# KiCad board Marble.kicad_pcb (continued)
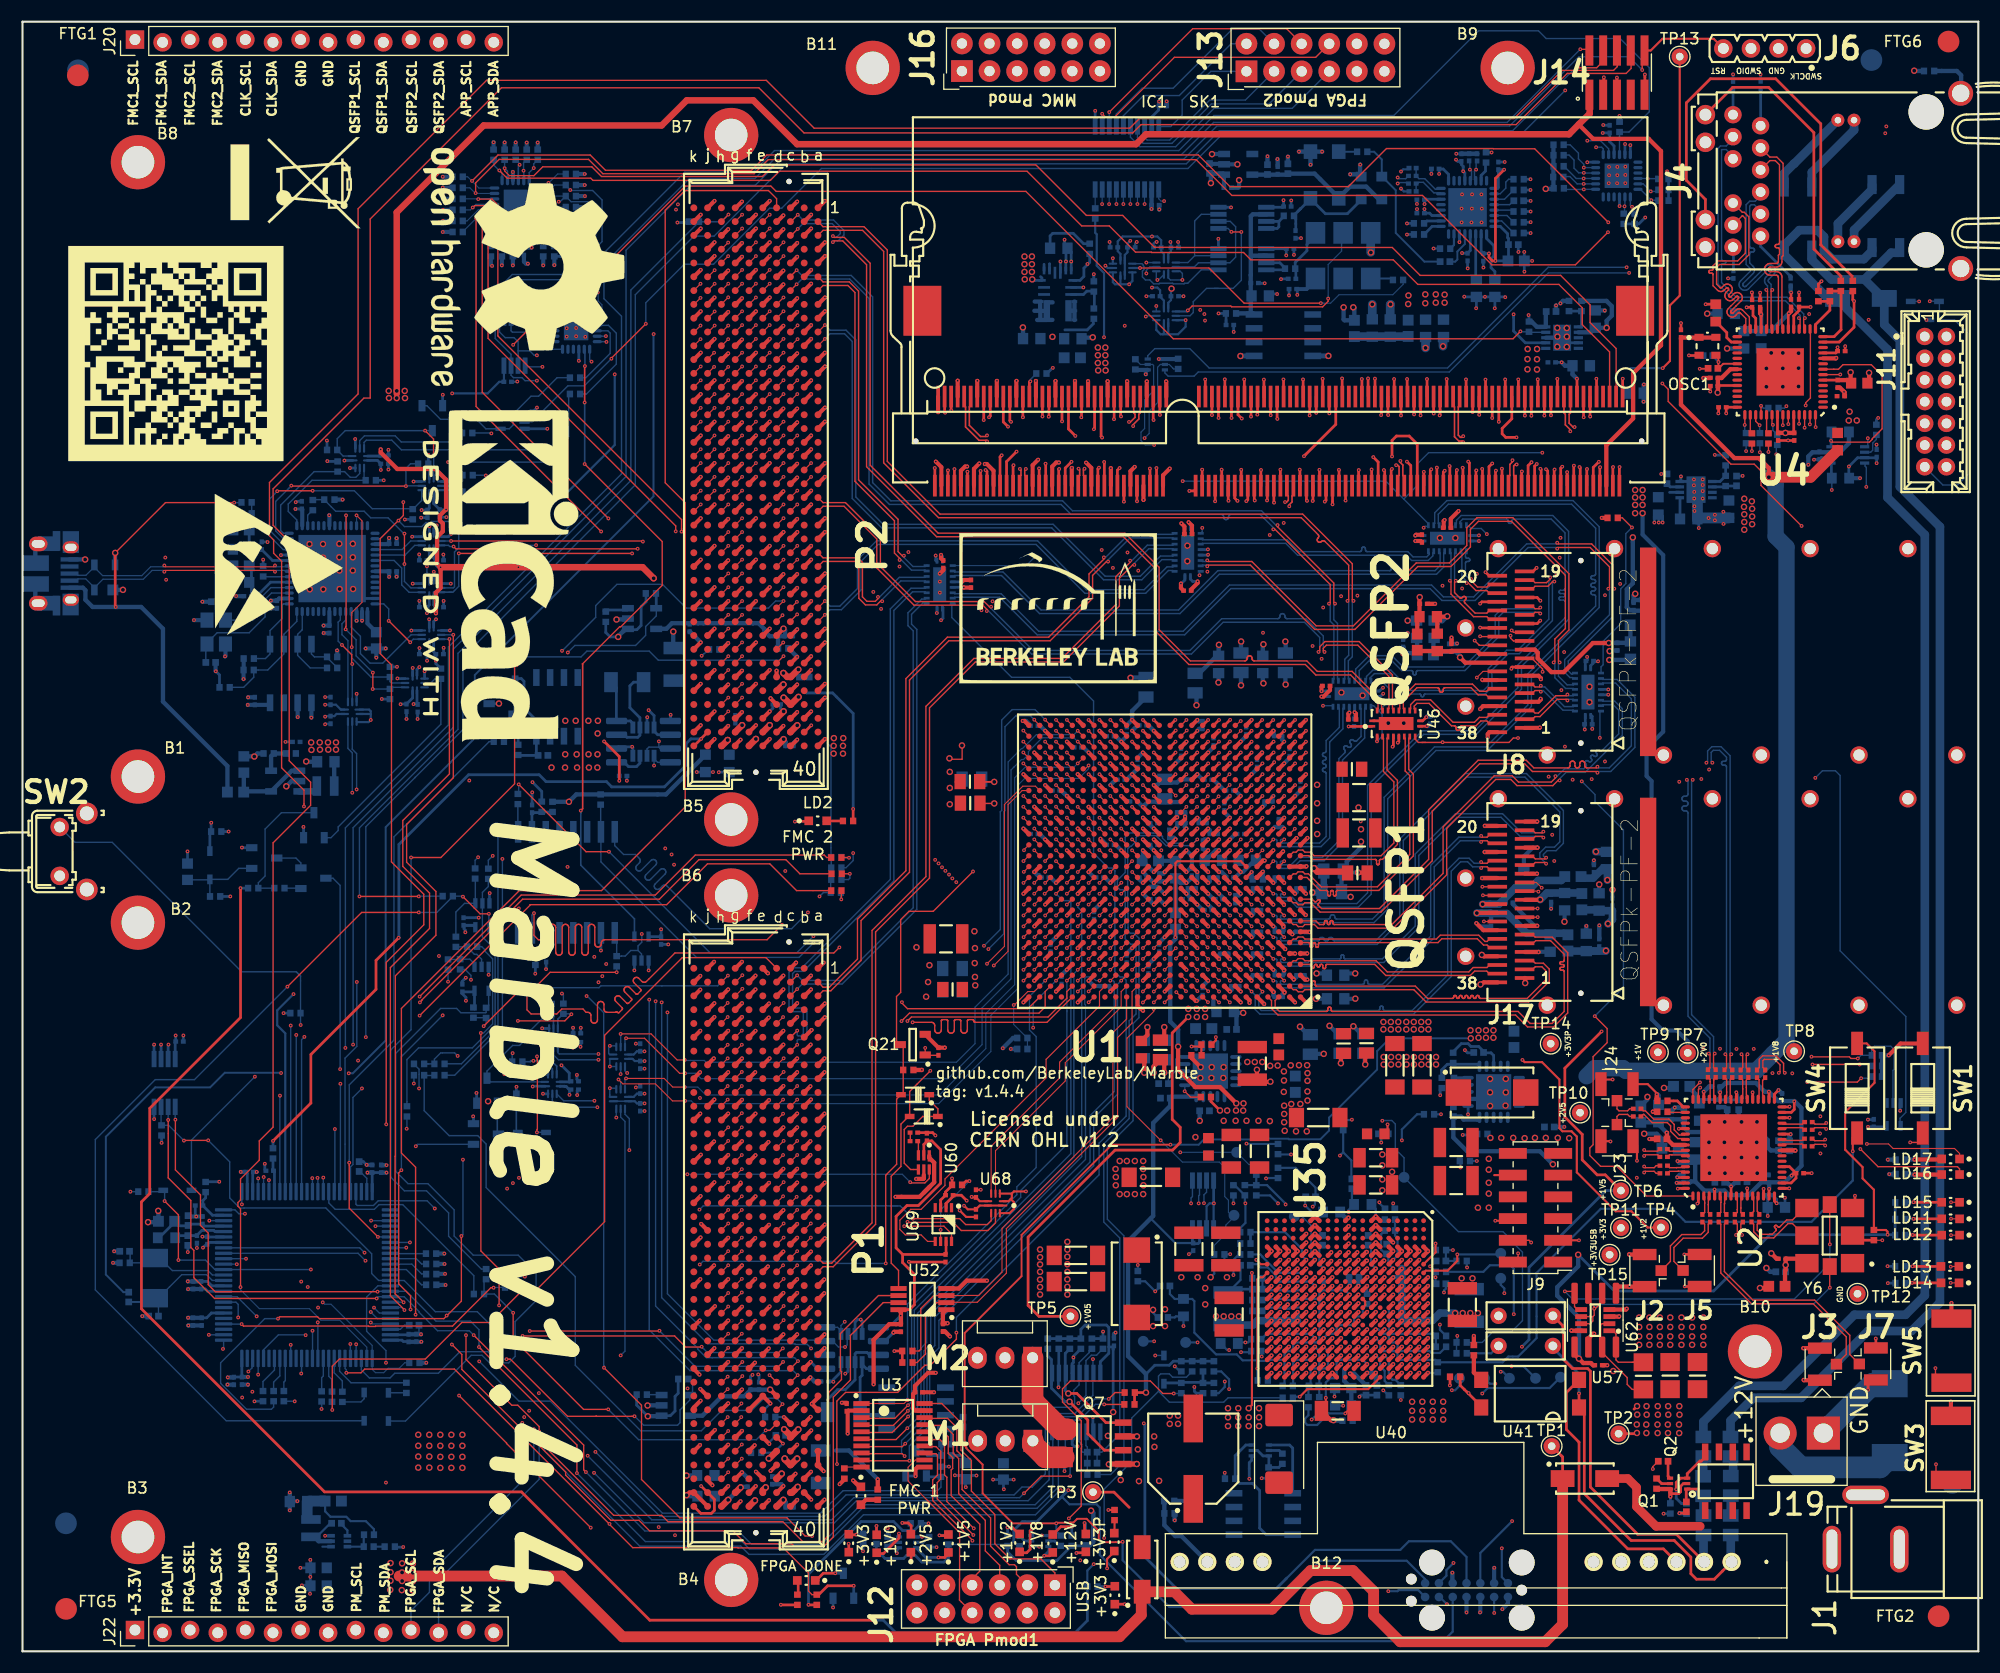
[diagram p0: board, top side]
## Placement (name value [footprint] x y rotation side) (continued)
C244  CC0201_470NF_4V_20%_X5R  [CAPC0603X33N]  93.11 85.19 0 bottom
C245  CC0201_470NF_4V_20%_X5R  [CAPC0603X33N]  94.12 71.23 0 bottom
C246  CC0201_470NF_4V_20%_X5R  [CAPC0603X33N]  97.13 83.2 0 bottom
C247  CC0201_470NF_4V_20%_X5R  [CAPC0603X33N]  95.12 79.23 0 bottom
C248  CC0201_470NF_4V_20%_X5R  [CAPC0603X33N]  111.62 69.23 270 bottom
C249  CC0201_470NF_4V_20%_X5R  [CAPC0603X33N]  101.62 63.73 270 bottom
C250  CC0201_470NF_4V_20%_X5R  [CAPC0603X33N]  100.12 74.23 0 bottom
C251  CC0201_470NF_4V_20%_X5R  [CAPC0603X33N]  99.62 61.23 180 bottom
C252  CC0805_4.7UF_10V_10%_X5R  [CAPC2012X135N]  87.38 80.28 180 bottom
C253  CC0805_4.7UF_10V_10%_X5R  [CAPC2012X135N]  103.4 88.74 90 bottom
C254  CC0805_4.7UF_10V_10%_X5R  [CAPC2012X135N]  87.22 78.07 180 top
C255  CC0805_4.7UF_10V_10%_X5R  [CAPC2012X135N]  105.13 79.37 270 bottom
C256  CC0201_470NF_4V_20%_X5R  [CAPC0603X33N]  112.12 75.23 180 bottom
C257  CC0201_470NF_4V_20%_X5R  [CAPC0603X33N]  106.63 82.76 270 bottom
C258  CC0201_470NF_4V_20%_X5R  [CAPC0603X33N]  94.62 64.73 270 bottom
C259  CC0201_470NF_4V_20%_X5R  [CAPC0603X33N]  109.12 80.23 0 bottom
C260  CC0201_470NF_4V_20%_X5R  [CAPC0603X33N]  98.62 67.73 90 bottom
C261  CC0201_470NF_4V_20%_X5R  [CAPC0603X33N]  109.62 83.73 270 bottom
C262  CC0201_470NF_4V_20%_X5R  [CAPC0603X33N]  93.12 75.23 0 bottom
C263  CC0201_470NF_4V_20%_X5R  [CAPC0603X33N]  111.11 79.24 180 bottom
C264  CC0201_470NF_4V_20%_X5R  [CAPC0603X33N]  111.12 71.23 0 bottom
C265  CC1210_100UF_6.3V_20%_X5R  [CAPC3225X270N]  123.01 78.58 0 top
C266  CC1210_100UF_6.3V_20%_X5R  [CAPC3225X270N]  123.01 75.33 0 top
C267  CC0201_470NF_4V_20%_X5R  [CAPC0603X33N]  110.12 69.23 180 bottom
C268  CC0805_4.7UF_10V_10%_X5R  [CAPC2012X135N]  121.35 55.94 270 bottom
C269  CC0201_470NF_4V_20%_X5R  [CAPC0603X33N]  109.12 68.23 180 bottom
C270  CC0805_4.7UF_10V_10%_X5R  [CAPC2012X135N]  123.54 55.94 270 bottom
C271  CC0201_470NF_4V_20%_X5R  [CAPC0603X33N]  104.12 74.23 0 bottom
C272  CC0805_4.7UF_10V_10%_X5R  [CAPC2012X135N]  123.7 55.97 270 top
C273  CC0201_470NF_4V_20%_X5R  [CAPC0603X33N]  103.12 71.23 180 bottom
C274  CC0805_4.7UF_10V_10%_X5R  [CAPC2012X135N]  118.53 55.86 270 bottom
C275  CC0201_470NF_4V_20%_X5R  [CAPC0603X33N]  104.12 69.23 0 bottom
C276  CC0805_4.7UF_10V_10%_X5R  [CAPC2012X135N]  122.35 81.19 0 top
C277  CC0201_470NF_4V_20%_X5R  [CAPC0603X33N]  107.12 69.23 0 bottom
C278  CC0805_4.7UF_10V_10%_X5R  [CAPC2012X135N]  121.59 55.95 270 top
C279  CC0201_470NF_4V_20%_X5R  [CAPC0603X33N]  104.12 76.23 0 bottom
C280  CC0603_22UF_6.3V_20%_X5R  [CAPC1709X100N]  114.15 90.84 90 bottom
C281  CC0603_22UF_6.3V_20%_X5R  [CAPC1709X100N]  102.97 55.38 270 top
C282  CC0603_22UF_6.3V_20%_X5R  [CAPC1709X100N]  110.08 90.84 90 bottom
C283  CC0603_22UF_6.3V_20%_X5R  [CAPC1709X100N]  103.25 55.39 270 bottom
C284  CC0805_4.7UF_10V_10%_X5R  [CAPC2012X135N]  116.23 90.99 90 bottom
C285  CC0805_4.7UF_10V_10%_X5R  [CAPC2012X135N]  105.08 55.34 270 bottom
C286  CC0805_4.7UF_10V_10%_X5R  [CAPC2012X135N]  112.14 90.99 90 bottom
C287  CC0805_4.7UF_10V_10%_X5R  [CAPC2012X135N]  104.73 55.36 270 top
C288  CC0201_100NF_6.3V_10%_X5R  [CAPC0603X33N]  151.04 45.51 0 top
C289  CC0201_100NF_6.3V_10%_X5R  [CAPC0603X33N]  151.05 43.99 0 top
C290  CC0201_100NF_6.3V_10%_X5R  [CAPC0603X33N]  144.12 85.33 180 bottom
C291  CC0201_100NF_6.3V_10%_X5R  [CAPC0603X33N]  122.55 85.48 90 bottom
C292  CC0201_100NF_6.3V_10%_X5R  [CAPC0603X33N]  128.8 102.43 270 top
C293  CC0201_100NF_6.3V_10%_X5R  [CAPC0603X33N]  128.94 96.42 0 top
C294  CC0201_100NF_6.3V_10%_X5R  [CAPC0603X33N]  127.07 92.78 90 bottom
C295  CC0201_100NF_6.3V_10%_X5R  [CAPC0603X33N]  148.28 96.18 90 bottom
C296  CC0603_22UF_6.3V_20%_X5R  [CAPC1709X100N]  128.31 94.07 90 bottom
C297  CC0603_22UF_6.3V_20%_X5R  [CAPC1709X100N]  129.37 95.23 0 top
C298  CC0603_22UF_6.3V_20%_X5R  [CAPC1709X100N]  149.44 96.79 90 bottom
C299  CC0201_100NF_6.3V_10%_X5R  [CAPC0603X33N]  146.79 92.48 270 bottom
C300  CC0201_100NF_6.3V_10%_X5R  [CAPC0603X33N]  131.51 92.4 90 top
C301  CC0201_100NF_6.3V_10%_X5R  [CAPC0603X33N]  131.3 92.38 90 bottom
C302  CC0603_22UF_6.3V_20%_X5R  [CAPC1709X100N]  147.99 92.16 270 bottom
C303  CC0603_22UF_6.3V_20%_X5R  [CAPC1709X100N]  130.21 92.87 90 top
C304  CC0603_22UF_6.3V_20%_X5R  [CAPC1709X100N]  129.92 94.08 90 bottom
C305  CC0201_100NF_6.3V_10%_X5R  [CAPC0603X33N]  122.37 85.77 0 top
C306  CC0201_100NF_6.3V_10%_X5R  [CAPC0603X33N]  131.11 103.42 180 top
C307  CC0402_2.2UF_6.3V_10%_X5R  [CAPC1005X55N]  36.04 30.01 180 bottom
C308  CC0402_1UF_16V_10%_X5R  [CAPC1005X55N]  15.21 37.81 270 bottom
C309  CC0402_2.2UF_6.3V_10%_X5R  [CAPC1005X55N]  30.99 44.62 270 bottom
C310  CC0201_100NF_6.3V_10%_X5R  [CAPC0603X33N]  16.05 37.91 270 bottom
C311  CC0402_1UF_16V_10%_X5R  [CAPC1005X55N]  15.24 39.65 90 bottom
C312  CC0201_100NF_6.3V_10%_X5R  [CAPC0603X33N]  104.26 133.12 0 bottom
C313  CC0201_100NF_6.3V_10%_X5R  [CAPC0603X33N]  75.85 22.44 90 top
C314  CC0201_100NF_6.3V_10%_X5R  [CAPC0603X33N]  82.48 23.84 0 top
C315  CC0201_100NF_6.3V_10%_X5R  [CAPC0603X33N]  104.95 142.23 0 bottom
C316  CC0201_100NF_6.3V_10%_X5R  [CAPC0603X33N]  106.05 124.73 0 bottom
C317  CC0201_100NF_6.3V_10%_X5R  [CAPC0603X33N]  104.35 124.73 180 bottom
C318  CC0201_100NF_6.3V_10%_X5R  [CAPC0603X33N]  87.75 40.33 270 top
C319  CC0201_100NF_6.3V_10%_X5R  [CAPC0603X33N]  87.75 42.13 90 top
C320  CC0201_100NF_6.3V_10%_X5R  [CAPC0603X33N]  56.85 50.08 270 bottom
C321  CC0201_100NF_6.3V_10%_X5R  [CAPC0603X33N]  56.85 53.98 270 bottom
C322  CC0603_10UF_6.3V_20%_X5R  [CAPC1608X87N]  153.95 46.07 270 bottom
C323  CC0201_100NF_6.3V_10%_X5R  [CAPC0603X33N]  163.57 44.01 0 top
C324  CC0603_10UF_6.3V_20%_X5R  [CAPC1608X87N]  154.33 49.63 90 bottom
C325  CC0201_100NF_6.3V_10%_X5R  [CAPC0603X33N]  152.85 43.5 90 bottom
C326  CC0201_100NF_6.3V_10%_X5R  [CAPC0603X33N]  160.7 43.5 90 bottom
C327  CC0201_100NF_6.3V_10%_X5R  [CAPC0603X33N]  156.08 50.43 270 bottom
C328  CC0603_10UF_6.3V_20%_X5R  [CAPC1608X87N]  161.41 40.86 180 bottom
C329  CC0201_100NF_6.3V_10%_X5R  [CAPC0603X33N]  155.85 51.98 180 bottom
C330  CC1210_100UF_6.3V_20%_X5R  [CAPC3225X270N]  110.75 37.03 90 top
C331  CC1206_47UF_10V_10%_X5R  [CAPC3216X180N]  124.55 45.43 180 top
C332  CC0201_470NF_4V_20%_X5R  [CAPC0603X33N]  116.62 82.73 270 bottom
C333  CC0201_470NF_4V_20%_X5R  [CAPC0603X33N]  104.62 64.73 270 bottom
C334  CC0201_470NF_4V_20%_X5R  [CAPC0603X33N]  112.62 84.73 270 bottom
C335  CC0201_470NF_4V_20%_X5R  [CAPC0603X33N]  103.62 62.73 90 bottom
C336  CC0201_470NF_4V_20%_X5R  [CAPC0603X33N]  113.62 81.73 270 bottom
C337  CC0201_470NF_4V_20%_X5R  [CAPC0603X33N]  111.62 61.23 0 bottom
C338  CC0201_470NF_4V_20%_X5R  [CAPC0603X33N]  117.62 79.73 270 bottom
C339  CC0201_470NF_4V_20%_X5R  [CAPC0603X33N]  110.61 64.21 0 bottom
C340  CC1206_47UF_10V_10%_X5R  [CAPC3216X180N]  113.85 46.03 270 top
C341  CC1210_100UF_6.3V_20%_X5R  [CAPC3225X270N]  131.95 43.33 180 top
C342  CC0201_100NF_6.3V_10%_X5R  [CAPC0603X33N]  50.84 125.58 90 bottom
C343  CC0603_4.7UF_25V_10%_X5R  [CAPC1709X95N]  90.28 16.55 270 bottom
C344  CC0603_4.7UF_25V_10%_X5R  [CAPC1709X95N]  86.81 16.58 270 bottom
C345  CC1210_100UF_6.3V_20%_X5R  [CAPC3225X270N]  107.35 37.03 90 top
C346  CC0603_10UF_6.3V_20%_X5R  [CAPC1608X87N]  124.55 47.63 180 top
C347  CC0603_10UF_6.3V_20%_X5R  [CAPC1608X87N]  109.15 46.43 270 top
C348  330uF  [CAPMP7343X310N]  135.25 51.43 0 top
C349  330uF  [CAPMP7343X310N]  102.55 33.83 270 top
C350  CAE830-1020_470UF_16V_20%  [CAPAE830X1020N]  107.75 17.73 90 top
C351  CC0201_100NF_6.3V_10%_X5R  [CAPC0603X33N]  55.28 80.58 0 bottom
C352  CC0201_100NF_6.3V_10%_X5R  [CAPC0603X33N]  157.46 126.72 270 bottom
C353  CPER_4.7NF_400V_5%_500-250X720X650  [CAPR500-250X720X650]  138.35 28.11 180 top
C354  CPER_4.7NF_400V_5%_500-250X720X650  [CAPR500-250X720X650]  138.35 30.88 180 top
C355  CC0201_100NF_6.3V_10%_X5R  [CAPC0603X33N]  36.88 96.1 180 bottom
C356  CC0201_100NF_6.3V_10%_X5R  [CAPC0603X33N]  38.4 96.1 0 bottom
C357  CC0201_100NF_6.3V_10%_X5R  [CAPC0603X33N]  161.95 50.99 90 bottom
C358  CC0201_100NF_6.3V_10%_X5R  [CAPC0603X33N]  40.59 67.17 90 bottom
C359  CC0201_100NF_6.3V_10%_X5R  [CAPC0603X33N]  40.48 61.05 90 bottom
C360  CC0603_4.7UF_25V_10%_X5R  [CAPC1709X95N]  15.19 71.76 90 bottom
C361  CC0402_150PF_50V_5%_C0G  [CAPC1005X55N]  125.85 40.73 0 bottom
C362  CC0402_22PF_50V_5%_C0G  [CAPC1005X55N]  122.35 43.03 90 bottom
C363  CC0402_22PF_50V_5%_C0G  [CAPC1005X55N]  118.55 41.83 0 bottom
C364  CC0402_10NF_16V_10%_X7R  [CAPC1005X55N]  156.21 43.17 180 bottom
C365  CC0201_100NF_6.3V_10%_X5R  [CAPC0603X33N]  160.75 41.98 0 bottom
C366  CC0402_100PF_50V_5%_C0G  [CAPC1005X55N]  158.26 43.22 0 bottom
C367  CC0402_100PF_50V_5%_C0G  [CAPC1005X55N]  162.63 46.52 90 bottom
C368  CC0402_10NF_16V_10%_X7R  [CAPC1005X55N]  161.62 46.55 90 bottom
C369  CC0201_100NF_6.3V_10%_X5R  [CAPC0603X33N]  151.81 49.32 90 bottom
C370  CC0603_10UF_6.3V_20%_X5R  [CAPC1608X87N]  150.57 49.5 270 bottom
C371  CC0402_10NF_16V_10%_X7R  [CAPC1005X55N]  156.89 50.31 270 bottom
C372  CC0402_100PF_50V_5%_C0G  [CAPC1005X55N]  157.95 50.31 270 bottom
C373  CC0402_100PF_50V_5%_C0G  [CAPC1005X55N]  150.9 47.16 180 top
C374  CC0402_100PF_50V_5%_C0G  [CAPC1005X55N]  155.58 118.09 180 top
C375  CC0402_100PF_50V_5%_C0G  [CAPC1005X55N]  155.13 119.26 180 bottom
C376  CC0402_10NF_16V_10%_X7R  [CAPC1005X55N]  152.9 49.33 90 bottom
C377  CC0201_100NF_6.3V_10%_X5R  [CAPC0603X33N]  170.38 48.61 90 bottom
C378  CC0201_100NF_6.3V_10%_X5R  [CAPC0603X33N]  145.05 26.33 0 top
C379  CC0201_100NF_6.3V_10%_X5R  [CAPC0603X33N]  127.91 135.81 0 bottom
C380  CC0201_470NF_4V_20%_X5R  [CAPC0603X33N]  115.62 71.23 180 bottom
C381  CC0201_470NF_4V_20%_X5R  [CAPC0603X33N]  113.62 70.23 0 bottom
C382  CC0402_1UF_16V_10%_X5R  [CAPC1005X55N]  140.52 48.26 0 bottom
C383  CC0402_1UF_16V_10%_X5R  [CAPC1005X55N]  111.28 57.24 0 bottom
C384  CC0603_22UF_6.3V_20%_X5R  [CAPC1709X100N]  112.72 72.81 0 bottom
C385  CC0603_22UF_6.3V_20%_X5R  [CAPC1709X100N]  109.6 72.81 180 bottom
C386  CC0805_4.7UF_10V_10%_X5R  [CAPC2012X135N]  107.92 89.12 90 bottom
C387  CC0201_470NF_4V_20%_X5R  [CAPC0603X33N]  100.12 84.23 0 bottom
C388  CC0201_470NF_4V_20%_X5R  [CAPC0603X33N]  101.64 84.74 270 bottom
C389  CC0201_470NF_4V_20%_X5R  [CAPC0603X33N]  102.62 81.73 270 bottom
C390  CC0201_470NF_4V_20%_X5R  [CAPC0603X33N]  102.27 78.23 0 bottom
C391  CC0201_470NF_4V_20%_X5R  [CAPC0603X33N]  115.62 76.23 270 bottom
C392  CC0201_470NF_4V_20%_X5R  [CAPC0603X33N]  108.62 60.73 90 bottom
C393  CC0402_1NF_50V_10%_X7R  [CAPC1005X55N]  131.74 52.31 270 bottom
C394  CC0402_1NF_50V_10%_X7R  [CAPC1005X55N]  105.02 52.25 180 bottom
C395  CC0201_100NF_6.3V_10%_X5R  [CAPC0603X33N]  107.29 102.84 180 top
C396  CC0201_100NF_6.3V_10%_X5R  [CAPC0603X33N]  119.99 88.87 180 top
C397  CC0201_100NF_6.3V_10%_X5R  [CAPC0603X33N]  84.74 100.05 270 top
C398  CC0201_100NF_6.3V_10%_X5R  [CAPC0603X33N]  146.32 68.97 90 bottom
C399  CC0201_100NF_6.3V_10%_X5R  [CAPC0603X33N]  144.62 72.05 90 bottom
C400  CC0201_100NF_6.3V_10%_X5R  [CAPC0603X33N]  145.12 65.21 90 bottom
C401  CC0603_22UF_6.3V_20%_X5R  [CAPC1709X100N]  145.1 68.97 90 bottom
C402  CC0603_22UF_6.3V_20%_X5R  [CAPC1709X100N]  145.78 72.79 90 bottom
C403  CC0603_22UF_6.3V_20%_X5R  [CAPC1709X100N]  143.92 65.25 90 bottom
C404  CC0201_100NF_6.3V_10%_X5R  [CAPC0603X33N]  140.68 69.3 270 bottom
C405  CC0201_100NF_6.3V_10%_X5R  [CAPC0603X33N]  136.82 68.91 0 bottom
C406  CC0201_100NF_6.3V_10%_X5R  [CAPC0603X33N]  135.16 67.09 270 bottom
C407  CC0603_22UF_6.3V_20%_X5R  [CAPC1709X100N]  141.93 69 270 bottom
C408  CC0603_22UF_6.3V_20%_X5R  [CAPC1709X100N]  138.18 71.12 90 bottom
C409  CC0603_22UF_6.3V_20%_X5R  [CAPC1709X100N]  140.59 65.19 270 bottom
C410  CC0201_100NF_6.3V_10%_X5R  [CAPC0603X33N]  127.91 135.1 0 bottom
C411  CC0603_22UF_6.3V_20%_X5R  [CAPC1709X100N]  95.37 129.15 0 bottom
C412  CC0201_100NF_6.3V_10%_X5R  [CAPC0603X33N]  44.65 116.86 0 bottom
C413  CC0603_22UF_6.3V_20%_X5R  [CAPC1709X100N]  92.88 120.83 180 bottom
C414  CC0603_22UF_6.3V_20%_X5R  [CAPC1709X100N]  96.67 120.82 0 bottom
C415  CC0201_100NF_6.3V_10%_X5R  [CAPC0603X33N]  44.68 124.2 0 bottom
C416  CC0201_100NF_6.3V_10%_X5R  [CAPC0603X33N]  148.6 49.23 0 top
C417  CC0402_100NF_25V_10%_X5R  [CAPC1005X55N]  137.7 133.52 180 bottom
C418  CC0201_100NF_6.3V_10%_X5R  [CAPC0603X33N]  84.3 55.21 90 top
C419  CC0201_100NF_6.3V_10%_X5R  [CAPC0603X33N]  82.04 46.96 180 top
C420  CC0201_100NF_6.3V_10%_X5R  [CAPC0603X33N]  82.04 47.74 0 top
C421  CC0201_100NF_6.3V_10%_X5R  [CAPC0603X33N]  83.23 47.34 90 top
C422  CC0201_100NF_6.3V_10%_X5R  [CAPC0603X33N]  56.85 55.58 90 bottom
C423  CC0201_100NF_6.3V_10%_X5R  [CAPC0603X33N]  56.85 51.68 90 bottom
C424  CC0201_100NF_6.3V_10%_X5R  [CAPC0603X33N]  28.35 87.48 90 bottom
C425  CC0201_100NF_6.3V_10%_X5R  [CAPC0603X33N]  28.35 85.73 270 bottom
C426  CC0402_150PF_50V_5%_C0G  [CAPC1005X55N]  105.15 33.63 180 bottom
C427  CC0603_4.7UF_25V_10%_X5R  [CAPC1608X90N]  121.55 22.63 180 bottom
C428  CC0201_100NF_6.3V_10%_X5R  [CAPC0603X33N]  102.05 129.23 0 bottom
C429  CC0201_100NF_6.3V_10%_X5R  [CAPC0603X33N]  106.05 129.22 0 bottom
C430  CC0201_100NF_6.3V_10%_X5R  [CAPC0603X33N]  100.45 129.23 180 bottom
C431  CC0201_100NF_6.3V_10%_X5R  [CAPC0603X33N]  104.45 129.23 180 bottom
C432  CC0201_100NF_6.3V_10%_X5R  [CAPC0603X33N]  84.95 36.18 270 top
C433  CC0201_100NF_6.3V_10%_X5R  [CAPC0603X33N]  85.3 41.98 0 top
D1  BAT165  [SOD2512X110N]  82.15 51.23 180 top
D2  BAT165  [SOD2512X110N]  105.05 25.93 270 bottom
D3  BAT165  [SOD2512X110N]  14.25 42.43 180 bottom
D4  SS16  [DIOM5127X229N]  143.79 15.9 0 top
D6  KMB215STR  [SOIC254P665X290-4N]  163.41 131.88 90 bottom
D7  KMB215STR  [SOIC254P665X290-4N]  171.49 132.11 90 bottom
D8  SMAJ58A  [DIOM5226X262N]  169.2 124.53 180 bottom
D9  BAT165  [SOD2512X110N]  82.95 49.23 180 top
D10  S5D-E3/9AT  [D_SMC]  171.85 21.23 90 bottom
D12  SS16  [DIOM5127X229N]  103.05 7.53 90 top
D13  PRTR5V0U2X  [SOT190P230X110-4N]  7.57 98.85 90 bottom
D14  BAT165  [SOD2512X110N]  46.89 47.76 180 bottom
D15  BAT165  [SOD2512X110N]  175.08 124.25 180 bottom
D16  BAT165  [SOD2512X110N]  17.24 72.36 270 bottom
D17  BAT165  [SOD2512X110N]  31.44 22.52 90 bottom
D18  BAT165  [SOD2512X110N]  33.68 22.49 90 bottom
FTG1  -  [FIDUCIAL_TARGET_R200-400]  5.09 145.06 0 top
FTG2  -  [FIDUCIAL_TARGET_R200-400]  176.35 3.23 0 top
FTG3  -  [FIDUCIAL_TARGET_R200-400]  4 11.78 0 bottom
FTG4  -  [FIDUCIAL_TARGET_R200-400]  170.16 146.47 0 bottom
FTG5  -  [FIDUCIAL_TARGET_R200-400]  4.01 3.9 0 top
FTG6  -  [FIDUCIAL_TARGET_R200-400]  177.26 148.17 0 top
FTG7  -  [FIDUCIAL_TARGET_R200-400]  5.11 145.52 0 bottom
FTG8  -  [FIDUCIAL_TARGET_R200-400]  177.6 15.5 0 bottom
G***  LOGO  [QR]  14.11 119.46 0 top
G***#2  LOGO  [lbl_logo_new]  95.3 96.03 0 top
G***#3  LOGO  [lbl_logo_new]  53.57 36.08 90 bottom
IC1  MT8JTF12864HZ-1G6G1 or VR7PU286458FBAMJT  [SODIMM60P6760X3000X380-204]  115.75 110.4 0 top
J1  -  [CLIFF_FC68148(DC-10A)]  172.73 9.4 90 top
J2  HIROSE_U.FL-R-SMT-1(10)  [U.FL_Hirose_U.FL-R-SMT-1_Vertical]  149.77 35.04 180 top
J3  HIROSE_U.FL-R-SMT-1(10)  [U.FL_Hirose_U.FL-R-SMT-1_Vertical]  165.9 26.43 180 top
J4  BELFUSE_0826-1X1T-GH-F  [BELFUSE_0826-1X1T-80-F]  158.7 135.35 270 top
J5  HIROSE_U.FL-R-SMT-1(10)  [U.FL_Hirose_U.FL-R-SMT-1_Vertical]  153.88 35.05 0 top
J6  2057-PH1-04-UA-ND  [SAMTEC_MTLW-104-07-L-S-250]  164.16 147.54 180 top
J7  HIROSE_U.FL-R-SMT-1(10)  [U.FL_Hirose_U.FL-R-SMT-1_Vertical]  170.1 26.45 0 top
J8  -  [SAMTEC_QSFP8-038-01-L-D-RA1]  136.99 92 180 top
J9  1-2373376-2  [PinHeader_2x06_P2.00mm_Vertical_SMD]  139.25 40.83 180 top
J10  10103594-0001LF  [USB_Micro-B_Amphenol_10103594-0001LF_Horizontal]  2.56 99.23 90 bottom
J11  -  [MOLEX_87831-1420]  176.07 115.03 270 top
J12  PPTC062LJBN-RC  [SDL-112-X-XX_2x06]  95.02 6.09 270 top
J13  PPTC062LJBN-RC  [SDL-112-X-XX_2x06]  112.65 145.43 90 top
J14  FTSH-105-01-L-DV-K-TR  [SAMTEC_FTSH-105-01-L-DV-K]  146.75 145.32 0 top
J15  QSFPk-PF-2  [QSFPK-PF-02]  143.42 68.97 90 top
J16  PPTC062LJBN-RC  [SDL-112-X-XX_2x06]  86.46 145.46 90 top
J17  -  [SAMTEC_QSFP8-038-01-L-D-RA1]  136.99 68.97 180 top
J18  QSFPk-PF-2  [QSFPK-PF-02]  143.42 92 90 top
J19  TE_641119-2  [641119-2]  163.76 19.33 180 top
J20  Test connector  [PinHeader_1x14_P2.54mm_Vertical]  10.35 148.23 90 top
J21  TC2070-IDC-FP  [Tag-Connect_TC2070-IDC-FP_2x07_P1.27mm_Vertical]  132.9 5.63 180 bottom
J22  Test connector  [PinHeader_1x14_P2.54mm_Vertical]  10.35 1.83 90 top
J23  HIROSE_U.FL-R-SMT-1(10)  [U.FL_Hirose_U.FL-R-SMT-1_Vertical]  146.75 47.43 270 top
J24  HIROSE_U.FL-R-SMT-1(10)  [U.FL_Hirose_U.FL-R-SMT-1_Vertical]  146.75 51.73 90 top
L1  IND0603_MURATA_BLM18SG121TN1D  [INDC1608X65N]  148.71 94.48 180 bottom
L2  IND0603_MURATA_BLM18SG121TN1D  [INDC1608X65N]  128.37 92.89 270 top
L3  IND0603_MURATA_BLM18SG121TN1D  [INDC1608X95N]  167.05 111.35 90 top
L4  IND0603_MURATA_BLM18SG121TN1D  [INDC1608X95N]  158.43 120.72 90 bottom
L5  IND0603_MURATA_BLM18SG121TN1D  [INDC1608X65N]  129.11 91.71 0 bottom
L6  IND0603_MURATA_BLM18SG121TN1D  [INDC1608X65N]  151.64 46.29 0 bottom
L7  IND0603_MURATA_BLM18SG121TN1D  [INDC1608X65N]  152.7 52 0 bottom
L8  IND0603_MURATA_BLM18SG121TN1D  [INDC1608X65N]  148.94 49.44 90 bottom
L9  IND0603_MURATA_BLM18SG121TN1D  [INDC1608X65N]  13.26 39.58 0 bottom
L10  IND0603_MURATA_BLM18SG121TN1D  [INDC1608X65N]  19.61 79.09 0 bottom
L11  IND0603_MURATA_BLM18SG121TN1D  [INDC1608X65N]  122.58 121.76 270 bottom
L12  IND0603_MURATA_BLM18SG121TN1D  [INDC1608X65N]  127.53 121.78 90 bottom
L13  AOTA-B201610S3R3-101-T  [IND_WURTH_WE-PMCI_0806LR]  26.55 11.33 90 bottom
L14  IND1806_MURATA_BLM41PG600SN1L  [INDC4516X180N]  128.8 53.94 90 top
L15  IND0603_MURATA_BLM18SG121TN1D  [INDC1608X65N]  117.14 52.2 90 bottom
L16  IND0603_MURATA_BLM18SG121TN1D  [INDC1608X65N]  137.27 56.33 90 bottom
L17  IND0603_MURATA_BLM18SG121TN1D  [INDC1608X65N]  28.6 13.83 0 bottom
L19  IND0603_MURATA_BLM18SG121TN1D  [INDC1608X65N]  161.47 33.59 0 top
L21  IND1806_MURATA_BLM41PG600SN1L  [INDC4516X180N]  103.85 43.63 180 top
L22  IND1806_MURATA_BLM41PG600SN1L  [INDC4516X180N]  96.95 36.44 180 top
L23  IND_2.2UH_20%_WURTH_WE-PMCI_74479276222C  [IND_WURTH_WE-PMCI_0806LR]  27.89 79.64 0 bottom
L24  IND0603_MURATA_BLM18SG121TN1D  [INDC1608X65N]  20.11 99.91 0 bottom
L25  IND0603_MURATA_BLM18SG121TN1D  [INDC1608X65N]  20.11 103.22 0 bottom
L26  IND0603_MURATA_BLM18SG121TN1D  [INDC1608X65N]  137.47 127.98 0 bottom
L27  IND0603_MURATA_BLM18SG121TN1D  [INDC1608X65N]  106.12 67.22 90 bottom
L28  IND0603_MURATA_BLM18SG121TN1D  [INDC1608X65N]  103.8 72.76 0 bottom
L30  IND0603_MURATA_BLM18SG121TN1D  [INDC1608X65N]  143.52 69 90 bottom
L31  IND1806_MURATA_BLM41PG600SN1L  [INDC4516X180N]  119.25 49.13 180 top
L32  IND1806_MURATA_BLM41PG600SN1L  [INDC4516X180N]  126.31 53.94 90 top
L33  IND0603_MURATA_BLM18SG121TN1D  [INDC1608X65N]  115.62 55.64 270 top
L34  IND0603_MURATA_BLM18SG121TN1D  [INDC1608X65N]  108.71 57.32 180 bottom
L35  1k@100MHz  [INDC2012X145N]  157.2 18.83 270 bottom
L36  1k@100MHz  [INDC2012X145N]  154.7 18.83 270 bottom
L37  1k@100MHz  [INDC2012X145N]  157.22 15.23 270 bottom
L38  1k@100MHz  [INDC2012X145N]  154.68 15.21 270 bottom
L39  1k@100MHz  [INDC2012X145N]  157.22 11.6 270 bottom
L40  1k@100MHz  [INDC2012X145N]  154.71 11.6 270 bottom
L42  IND0603_MURATA_BLM18SG121TN1D  [INDC1608X65N]  96.62 119.07 0 bottom
L43  IND0603_MURATA_BLM18SG121TN1D  [INDC1608X65N]  142.69 71.31 180 bottom
L44  IND0603_MURATA_BLM18SG121TN1D  [INDC1608X65N]  142.23 65.2 90 bottom
L45  IND1806_MURATA_BLM41PG600SN1L  [INDC4516X180N]  96.95 34.03 180 top
LD1  -  [LED_KINGBRIGHT_KPH-1608CGCK]  77.16 14.32 270 top
LD2  -  [LED_KINGBRIGHT_KPH-1608CGCK]  73.19 76.44 0 top
LD3  -  [LED_KINGBRIGHT_KPH-1608CGCK]  72.13 6.52 180 top
LD4  -  [LED_KINGBRIGHT_KPH-1608CGCK]  76.04 9.95 90 top
LD5  -  [LED_KINGBRIGHT_KPH-1608CGCK]  78.61 9.9 90 top
LD6  -  [LED_KINGBRIGHT_KPH-1608CGCK]  81.76 9.95 90 top
LD7  -  [LED_KINGBRIGHT_KPH-1608CGCK]  85.21 9.92 90 top
LD8  -  [LED_KINGBRIGHT_KPH-1608CGCK]  91.77 9.97 90 top
LD9  -  [LED_KINGBRIGHT_KPH-1608CGCK]  94.82 9.92 90 top
LD10  -  [LED_KINGBRIGHT_KPH-1608CGCK]  97.86 9.97 90 top
LD11  -  [LED_KINGBRIGHT_KPH-1608CGCK]  177.45 39.8 180 top
LD12  -  [LED_KINGBRIGHT_KPH-1608CGCK]  177.45 38.31 180 top
LD13  -  [LED_KINGBRIGHT_KPH-1608CGCK]  177.39 35.42 180 top
LD14  -  [LED_KINGBRIGHT_KPH-1608CGCK]  177.4 33.91 180 top
LD15  -  [LED_KINGBRIGHT_KPH-1608CGCK]  177.45 41.33 180 top
LD16  -  [LED_KINGBRIGHT_KPH-1608CGCK]  177.45 43.88 180 top
LD17  -  [LED_KINGBRIGHT_KPH-1608CGCK]  177.45 45.32 180 top
LD18  -  [LED_KINGBRIGHT_KPH-1608CGCK]  100.48 10.05 90 top
LD19  -  [LED_KINGBRIGHT_KPH-1608CGCK]  100.53 5.16 90 top
M1  Fan_Tacho_PC  [FanPinHeader_1x03_P2.54mm_Vertical]  92.99 19.37 180 top
M2  Fan_Tacho_PC  [FanPinHeader_1x03_P2.54mm_Vertical]  92.96 27.02 180 top
OSC1  25MHz  [OSC_MICREL_2520]  155.08 120.12 0 top
P1  -  [SAMTEC_ASP-134486-01]  67.5 38.1 90 top
P2  -  [SAMTEC_ASP-134486-01]  67.5 108.11 90 top
Q1  BC857BV  [SOTFL50P160X60-6N]  152.42 15.43 180 top
Q2  SI4459BDY-T1-GE3  [SOIC127P600X175-8N]  156.77 15.65 270 top
Q3  SI1036X  [SOTFL50P160X60-6N]  81.45 10.02 180 bottom
Q4  SI4459BDY-T1-GE3  [SOIC127P600X175-8N]  114.2 12.64 180 bottom
Q5  BSS138L  [SOT95P240X110-3N]  42.66 47.62 0 bottom
Q6  BSS138L  [SOT95P240X110-3N]  37.72 113.5 270 bottom
Q7  SQ4920EY  [SOIC127P600X175-8N]  98.6 19.14 180 top
Q8  BSS138L  [SOT95P240X110-3N]  82.24 17.29 90 bottom
Q9  BSS138L  [SOT95P240X110-3N]  44.09 86.27 0 bottom
Q14  BSS138L  [SOT95P240X110-3N]  26.77 71.16 0 bottom
Q15  SI1036X  [SOTFL50P160X60-6N]  104.35 118.45 180 bottom
Q16  SI4459BDY-T1-GE3  [SOIC127P600X175-8N]  82.24 22.37 180 bottom
Q17  BSS138L  [SOT95P240X110-3N]  42.75 51.6 90 bottom
Q18  BSS138L  [SOT95P240X110-3N]  22.25 73.02 0 bottom
Q19  BSS138L  [SOT95P240X110-3N]  75.55 6.03 90 bottom
Q20  SI1036X  [SOTFL50P160X60-6N]  93.62 10.15 180 bottom
Q21  BSS138L  [SOT95P240X110-3N]  81.93 55.84 180 top
Q22  BC857BV  [SOTFL50P160X60-6N]  113.92 18.48 0 bottom
Q23  SI4459BDY-T1-GE3  [SOIC127P600X175-8N]  49.2 86.93 90 bottom
Q24  BSS138L  [SOT95P240X110-3N]  26.82 76.04 90 bottom
R1  R0402_2K2_1%_0.0625W_100PPM  [RESC1005X40N]  81.44 26.58 0 top
R2  R0402_2K2_1%_0.0625W_100PPM  [RESC1005X40N]  81.43 27.64 0 top
R3  R0603_47R_1%_0.1W_100PPM  [RESC1608X55N]  13.25 38.07 0 bottom
R4  R0402_0R_JUMPER  [RESC1005X40N]  75.64 16.36 90 top
R5  R0402_0R_JUMPER  [RESC1005X40N]  98.73 132.35 90 bottom
R6  R0402_10K_1%_0.0625W_100PPM  [RESC1005X40N#2]  86 42.93 0 top
R7  R0402_47K_1%_0.0625W_100PPM  [RESC1005X40N#2]  31.9 10.73 180 bottom
R8  590K  [RESC1005X40N]  113.55 28.73 0 bottom
R9  R0402_240R_1%_0.0625W_100PPM  [RESC1005X40N]  68.82 21.56 0 bottom
R10  R0402_240R_1%_0.0625W_100PPM  [RESC1005X40N]  67.52 18.28 0 bottom
R11  R0402_240R_1%_0.0625W_100PPM  [RESC1005X40N]  70.01 92.32 0 bottom
R12  R0402_240R_1%_0.0625W_100PPM  [RESC1005X40N]  63.66 92.22 180 bottom
R13  R0402_2K2_1%_0.0625W_100PPM  [RESC1005X40N]  101.88 22.72 180 top
R14  R0402_2K2_1%_0.0625W_100PPM  [RESC1005X40N]  101.9 23.82 180 top
R15  R1206_0R082_1%_0.5W_100PPM  [RESC3216X80N]  149.18 25.36 90 top
R16  R1206_0R082_1%_0.5W_100PPM  [RESC3216X80N]  154.16 25.38 90 top
R17  R1206_0R082_1%_0.5W_100PPM  [RESC3216X80N]  151.64 25.38 90 top
R18  R0402_1K_1%_0.0625W_100PPM  [RESC1005X40N]  172.86 43.93 0 bottom
R19  R0402_1K_1%_0.0625W_100PPM  [RESC1005X40N]  172.87 45.25 0 bottom
R20  R0402_4K7_1%_0.0625W_100PPM  [RESC1005X40N]  93.77 117.62 180 bottom
R21  R0402_10K_1%_0.0625W_100PPM  [RESC1005X40N]  22.13 23.49 90 bottom
R22  R0201_200R_1%_0.05W_200PPM  [RESC0603X28N]  127.94 134.38 0 bottom
R23  R0201_200R_1%_0.05W_200PPM  [RESC0603X28N]  127.94 136.53 0 bottom
R24  R0402_100K_1%_0.0625W_100PPM  [RESC1005X40N]  98.22 129.1 270 bottom
R25  R0402_2K2_1%_0.0625W_100PPM  [RESC1005X40N]  47.6 121.68 90 bottom
R26  R0402_100K_1%_0.0625W_100PPM  [RESC1005X40N]  98.6 125.63 90 bottom
R27  R0402_150K_1%_0.0625W_100PPM  [RESC1005X40N]  98.6 123.13 90 bottom
R28  R0402_2K2_1%_0.0625W_100PPM  [RESC1005X40N]  46 125.34 0 bottom
R29  R0402_10K_1%_0.0625W_100PPM  [RESC1005X40N]  138.65 121.93 270 bottom
R30  R0402_10K_1%_0.0625W_100PPM  [RESC1005X40N]  142.33 123.83 90 bottom
R31  R0402_10K_1%_0.0625W_100PPM  [RESC1005X40N]  143.48 123.83 90 bottom
R32  R0402_10K_1%_0.0625W_100PPM  [RESC1005X40N]  170.39 38.31 270 top
R33  R0402_0R_JUMPER  [RESC1005X40N]  150.93 50.66 180 top
R34  R0402_0R_JUMPER  [RESC1005X40N]  150.93 49.66 180 top
R35  R0402_4K7_1%_0.0625W_100PPM  [RESC1005X40N]  141.37 138.67 0 bottom
R36  R0402_4K7_1%_0.0625W_100PPM  [RESC1005X40N]  141.37 137.71 0 bottom
R37  R0402_4K7_1%_0.0625W_100PPM  [RESC1005X40N]  141.37 136.69 180 bottom
R38  R0402_4K7_1%_0.0625W_100PPM  [RESC1005X40N]  141.35 135.7 180 bottom
R39  R0402_4K7_1%_0.0625W_100PPM  [RESC1005X40N]  48.94 128.87 90 bottom
R40  R0402_4K7_1%_0.0625W_100PPM  [RESC1005X40N]  47.93 128.87 90 bottom
R41  R0402_2K2_1%_0.0625W_100PPM  [RESC1005X40N]  43.1 128.87 90 bottom
R42  R0402_0R_JUMPER  [RESC1005X40N]  50.47 130.9 0 bottom
R43  R0402_0R_JUMPER  [RESC1005X40N]  44.12 128.87 270 bottom
R44  R0402_0R_JUMPER  [RESC1005X40N]  45.13 128.87 270 bottom
R45  R0402_2K2_1%_0.0625W_100PPM  [RESC1005X40N]  40.05 131.66 180 bottom
R46  R0402_2K2_1%_0.0625W_100PPM  [RESC1005X40N]  40.05 130.65 180 bottom
R47  R0402_2K2_1%_0.0625W_100PPM  [RESC1005X40N]  40.05 133.7 180 bottom
R48  R0402_2K2_1%_0.0625W_100PPM  [RESC1005X40N]  40.05 132.68 180 bottom
R49  R0402_2K2_1%_0.0625W_100PPM  [RESC1005X40N]  40.05 135.73 180 bottom
R50  R0402_2K2_1%_0.0625W_100PPM  [RESC1005X40N]  40.05 134.71 180 bottom
R51  R0402_2K2_1%_0.0625W_100PPM  [RESC1005X40N]  44.37 137.76 90 bottom
R52  R0402_2K2_1%_0.0625W_100PPM  [RESC1005X40N]  43.35 137.76 90 bottom
R53  R0402_2K2_1%_0.0625W_100PPM  [RESC1005X40N]  46.4 137.76 90 bottom
R54  R0402_2K2_1%_0.0625W_100PPM  [RESC1005X40N]  45.39 137.76 90 bottom
R55  R0402_2K2_1%_0.0625W_100PPM  [RESC1005X40N]  50.47 135.98 0 bottom
R56  R0402_2K2_1%_0.0625W_100PPM  [RESC1005X40N]  47.42 137.76 90 bottom
R57  R0402_2K2_1%_0.0625W_100PPM  [RESC1005X40N]  50.47 133.95 0 bottom
R58  R0402_240R_1%_0.0625W_100PPM  [RESC1005X40N]  111.22 123.15 180 bottom
R59  R0201_200R_1%_0.05W_200PPM  [RESC0603X28N]  133.14 137.52 270 bottom
R60  R0201_200R_1%_0.05W_200PPM  [RESC0603X28N]  133.87 137.51 270 bottom
R61  R0402_1K_1%_0.0625W_100PPM  [RESC1005X40N]  100.5 12.54 270 top
R62  R0603_4K99_1%_0.063W_50PPM  [RESC1608X55N]  167.32 107.98 0 bottom
R63  R0402_10K_1%_0.0625W_100PPM  [RESC1005X40N]  42.67 58.77 90 bottom
R64  R0603_4K99_1%_0.063W_50PPM  [RESC1608X55N]  167.3 112.24 0 bottom
R65  R0402_0R_JUMPER  [RESC1005X40N]  165.29 124.74 270 top
R66  R0603_4K99_1%_0.063W_50PPM  [RESC1608X55N]  155.84 123.2 270 top
R67  R0402_240R_1%_0.0625W_100PPM  [RESC1005X40N]  167.35 125.68 270 top
R68  R0402_12K_1%_0.0625W_100PPM  [RESC1005X40N]  156.75 107.73 90 bottom
R69  R0402_18K_1%_0.0625W_100PPM  [RESC1005X40N]  156.75 109.63 270 bottom
R70  R0402_10K_1%_0.0625W_100PPM  [RESC1005X40N#2]  31.85 9.63 0 bottom
R71  R0402_4K7_1%_0.0625W_100PPM  [RESC1005X40N]  33.8 9.63 0 bottom
R72  R0402_47K_1%_0.0625W_100PPM  [RESC1005X40N]  50.85 117.23 0 bottom
R73  R0402_47K_1%_0.0625W_100PPM  [RESC1005X40N]  50.85 115.73 0 bottom
R74  R0402_0R_JUMPER  [RESC1005X40N]  134.35 47.62 180 bottom
R75  R0402_2K2_1%_0.0625W_100PPM  [RESC1005X40N]  50.47 134.97 0 bottom
R76  R0402_0R_JUMPER  [RESC1005X40N]  108.92 51.02 180 top
R77  R0402_4K7_1%_0.0625W_100PPM  [RESC1005X40N]  141.39 134.67 180 bottom
R78  R0402_1K_1%_0.0625W_100PPM  [RESC1005X40N]  98.47 5.96 0 bottom
R79  R0402_40R2_1%_0.0625W_100PPM  [RESC1005X40N]  130.93 129.11 180 bottom
R80  R0402_0R_JUMPER  [RESC1005X40N]  166.34 124.74 270 top
R81  R0402_0R_JUMPER  [RESC1005X40N]  116.45 23.33 180 bottom
R82  R0402_0R_JUMPER  [RESC1005X40N]  123.3 138.03 0 bottom
R83  R0402_2K2_1%_0.0625W_100PPM  [RESC1005X40N]  50.47 131.92 0 bottom
R84  R0402_10K_1%_0.0625W_100PPM  [RESC1005X40N]  106.36 118.51 90 bottom
R85  R0402_10K_1%_0.0625W_100PPM  [RESC1005X40N]  102.42 118.46 270 bottom
R86  R0402_1K_1%_0.0625W_100PPM  [RESC1005X40N]  16.85 42.73 90 bottom
R87  R0402_1K_1%_0.0625W_100PPM  [RESC1005X40N]  23.05 45.83 90 bottom
R88  R0402_0R_JUMPER  [RESC1005X40N]  18.6 88.73 180 bottom
R89  590K  [RESC1005X40N]  123.75 32.43 270 bottom
R90  590K  [RESC1005X40N]  113.55 27.63 0 bottom
R91  R0402_2K2_1%_0.0625W_100PPM  [RESC1005X40N]  50.47 132.93 0 bottom
R92  R0402_240R_1%_0.0625W_100PPM  [RESC1005X40N]  116.66 127.27 180 bottom
R93  R0402_240R_1%_0.0625W_100PPM  [RESC1005X40N]  116.55 132.13 180 bottom
R94  R0402_0R_JUMPER  [RESC1005X40N]  134.7 137.51 270 bottom
R95  590K  [RESC1005X40N]  116.45 24.43 0 bottom
R96  R0402_0R_JUMPER  [RESC1005X40N]  128.53 130.42 0 bottom
R97  R0402_0R_JUMPER  [RESC1005X40N]  128.53 131.44 0 bottom
R98  R0402_0R_JUMPER  [RESC1005X40N]  137.7 132.53 180 bottom
R99  R0402_0R_JUMPER  [RESC1005X40N]  137.7 131.54 180 bottom
R100  R0402_0R_JUMPER  [RESC1005X40N]  137.7 130.55 180 bottom
R101  R0402_0R_JUMPER  [RESC1005X40N]  137.7 135.5 180 bottom
R102  R0402_0R_JUMPER  [RESC1005X40N]  137.7 134.51 180 bottom
R103  R0402_100R_1%_0.1W_100PPM  [RESC1005X40N]  126.6 126.23 0 bottom
R104  R0402_47K_1%_0.0625W_100PPM  [RESC1005X40N]  151.66 13.15 270 bottom
R105  R0402_0R_JUMPER  [RESC1005X40N]  130.55 36.93 180 bottom
R106  R0402_0R_JUMPER  [RESC1005X40N]  114.15 24.93 180 bottom
R107  R0402_1K_1%_0.0625W_100PPM  [RESC1005X40N]  150.39 15.43 90 top
R108  R0402_82K_1%_0.0625W_100PPM  [RESC1005X40N]  153.15 13.13 270 bottom
R109  10R  [RESC1005X40N]  121.95 21.23 180 bottom
R110  1R  [RESC1005X40N]  130.55 34.93 180 bottom
R111  1R  [RESC1005X40N]  113.65 34.33 0 bottom
R112  R0402_2K2_1%_0.0625W_100PPM  [RESC1005X40N]  20.62 105.76 0 bottom
R113  R0402_10K_1%_0.0625W_100PPM  [RESC1005X40N]  28.5 91.53 180 bottom
R114  R0402_2K2_1%_0.0625W_100PPM  [RESC1005X40N]  28.5 90.52 180 bottom
R115  R0402_10K_1%_0.0625W_100PPM  [RESC1005X40N]  20.81 90.33 0 bottom
R116  R0402_10K_1%_0.0625W_100PPM  [RESC1005X40N]  20.62 104.74 180 bottom
R117  R0402_10K_1%_0.0625W_100PPM  [RESC1005X40N]  20.83 91.38 0 bottom
R118  R0402_10K_1%_0.0625W_100PPM  [RESC1005X40N]  24.69 82.64 180 bottom
R119  R0402_2K2_1%_0.0625W_100PPM  [RESC1005X40N]  22.65 82.64 180 bottom
R120  R0402_12K_1%_0.0625W_100PPM  [RESC1005X40N]  22.15 99.41 270 bottom
R121  R0402_10K_1%_0.0625W_100PPM  [RESC1005X40N]  33.82 88.12 90 bottom
R122  R0402_10K_1%_0.0625W_100PPM  [RESC1005X40N]  35.91 104.66 90 bottom
R123  R0402_10K_1%_0.0625W_100PPM  [RESC1005X40N]  33.82 90.15 270 bottom
R124  R0402_10K_1%_0.0625W_100PPM  [RESC1005X40N]  36.88 109.31 180 bottom
R125  R0402_10K_1%_0.0625W_100PPM  [RESC1005X40N]  29 109.06 270 bottom
R126  R0402_10K_1%_0.0625W_100PPM  [RESC1005X40N]  32.05 107.79 180 bottom
R127  R0402_10K_1%_0.0625W_100PPM  [RESC1005X40N]  28.24 106.01 0 bottom
R129  R0402_0R_JUMPER  [RESC1005X40N]  98.47 16.27 180 bottom
R130  R0402_10K_1%_0.0625W_100PPM  [RESC1005X40N]  99.44 28.31 270 bottom
R131  R0402_10K_1%_0.0625W_100PPM  [RESC1005X40N]  45.59 56.63 0 bottom
R132  R0402_0R_JUMPER  [RESC1005X40N]  9.4 35.75 180 bottom
R133  R0402_100R_1%_0.1W_100PPM  [RESC1005X40N]  119.35 22.93 270 bottom
